# Altium PCB STM32FC8T6.PcbDoc
Units mil, origin at the board's own origin, x right, y up, seen from the top; angles counter-clockwise.
Board outline 3150 x 1975.05 mil, 2 copper layers (Top Layer, Bottom Layer); 81 components, 59 nets, 237 pads, 43 vias.
Unrouted connection lines stored in the file: 70.
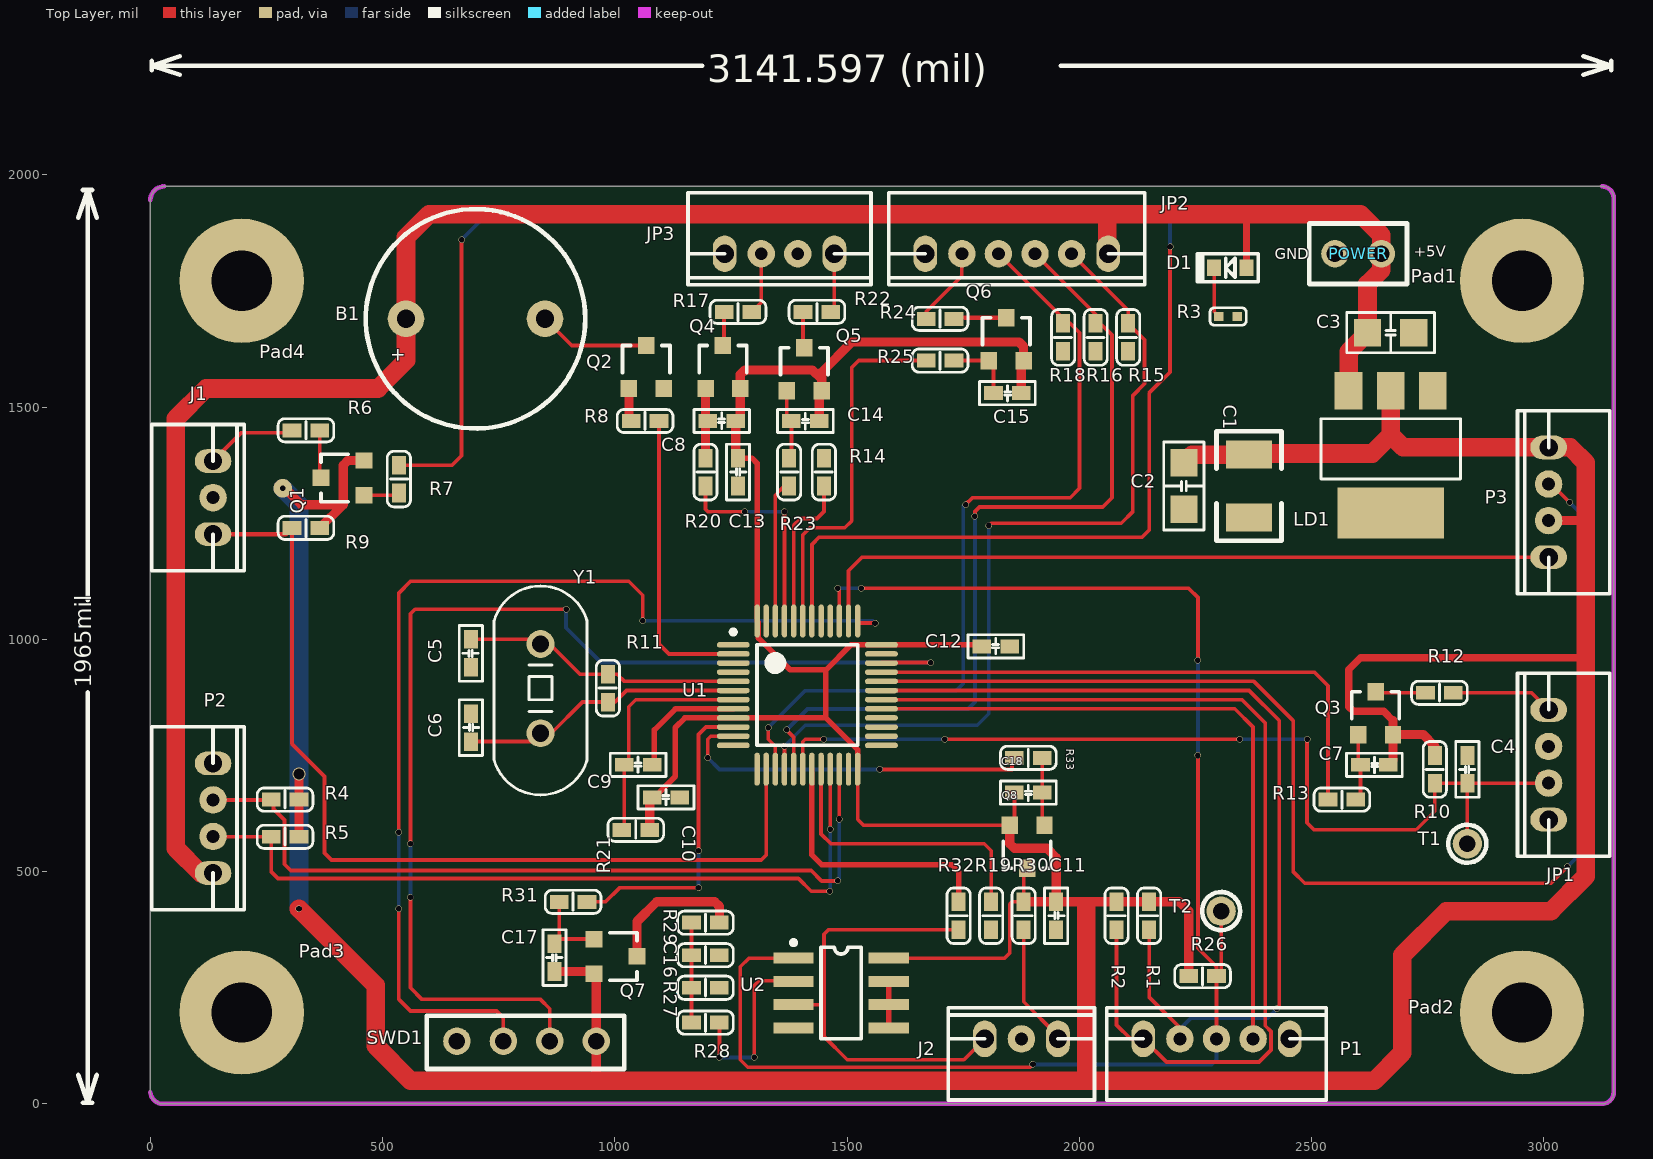
[diagram p0: Top Layer view]
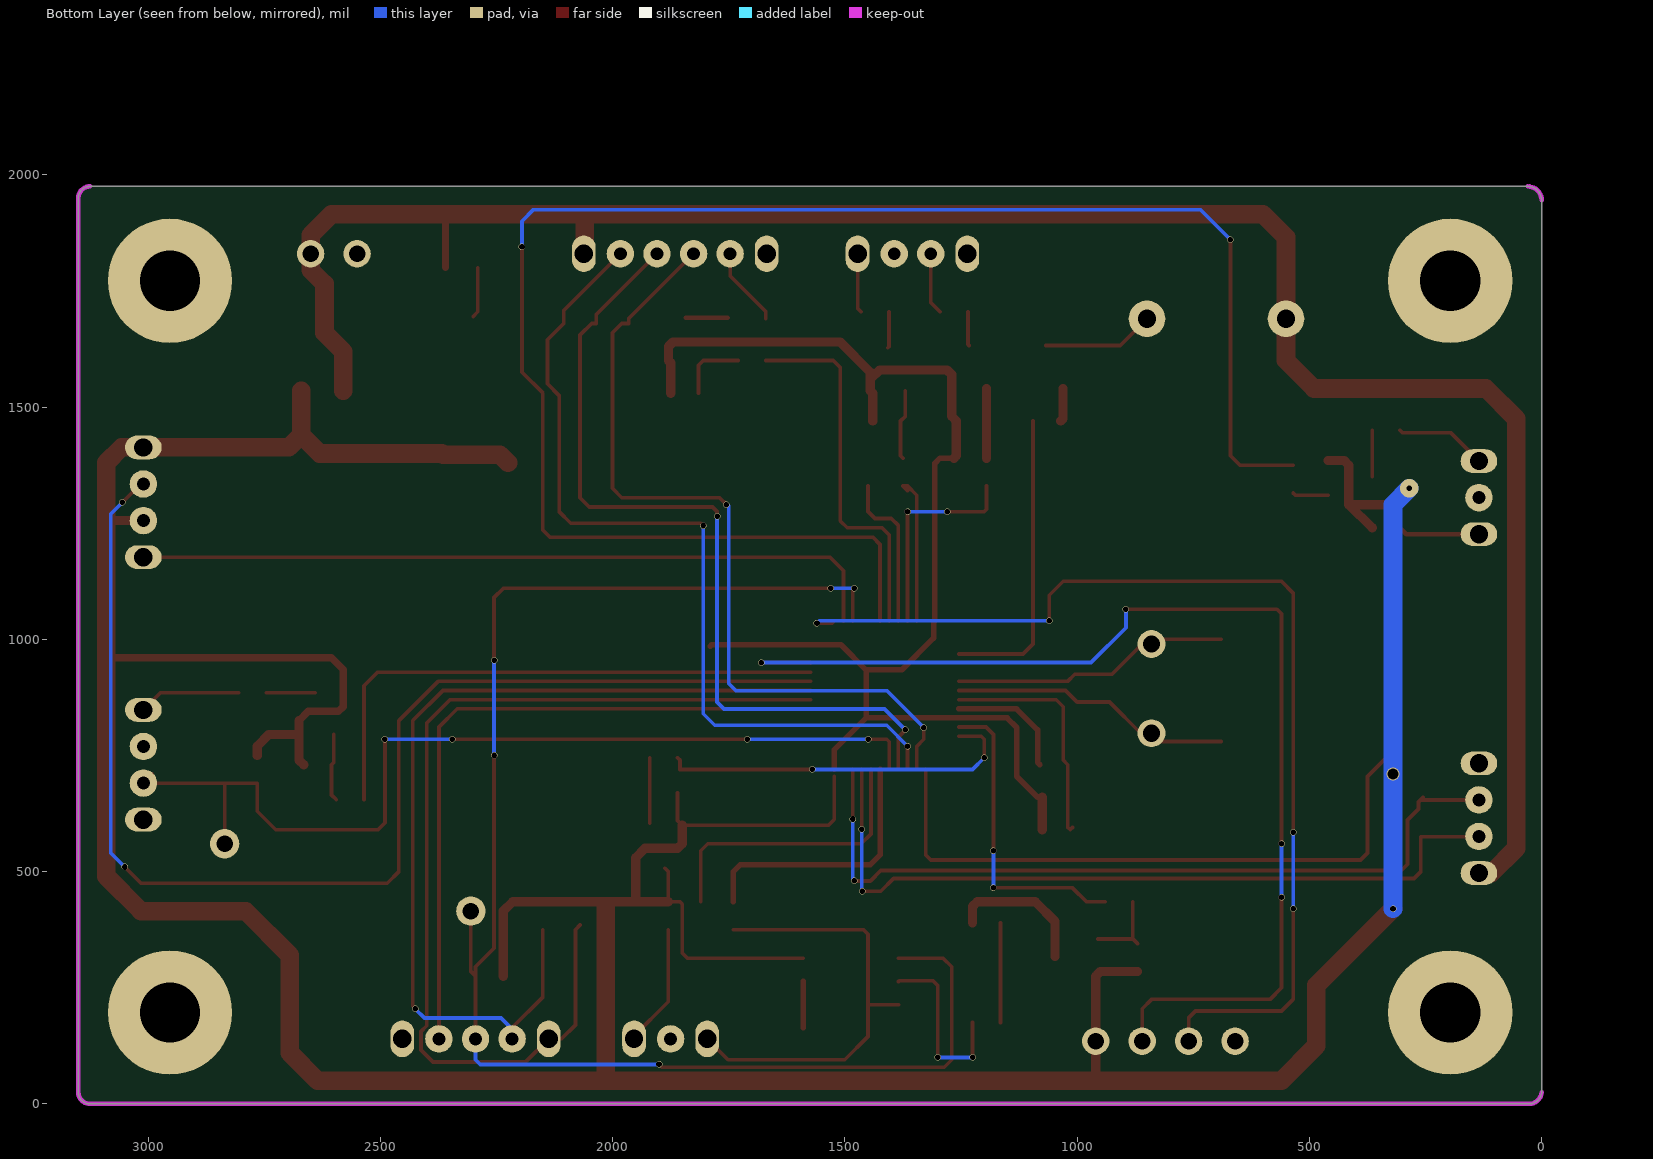
[diagram p1: Bottom Layer view, seen from below]

## Layer stack, top to bottom
Top Solder: solder mask 0.4, Solder Resist, Dk 3.5
Top Layer: signal copper 1.4
Dielectric1: dielectric 12.6, FR-4, Dk 4.8
Bottom Layer: signal copper 1.4
Bottom Solder: solder mask 0.4, Solder Resist, Dk 3.5

## Board outline
0,25 ccw(c27.5,27.5) 30,0 3125,0 ccw(c3125,25) 3150,25 3150,1950 ccw(c3125,1950) 3125,1975 30,1975 ccw(c30,1945) 0,1945

## Design rules (kind name [scope] priority, off if disabled: settings)
Clearance [All] p1: gap=5 ignorepadtopadclearanceinfootprint=FALSE except(0: Arc-Hole Track-Hole SMDPad-Hole THPad-Hole Via-Hole Fill-Hole Poly-Hole Region-Hole Text-Hole)
HoleSize [All] p1: absolutevalues=TRUE maxlimit=150 minlimit=1 maxpercent=80.000 minpercent=20.000
MinimumSolderMaskSliver [All] p1: minsoldermaskwidth=5
PolygonConnect [All] p1: connectstyle=Relief reliefconductorwidth=10 reliefentries=4 polygonreliefangle="90 Angle" airgapwidth=10
RoutingVias [All] p1: holewidth=12 width=14 viastyle="Through Hole" minholewidth=12 minwidth=14 maxholewidth=28 maxwidth=50
ShortCircuit [All] p1: allowed=TRUE
SilkToSilkClearance [All] p1: silktosilkclearance=0
SilkToSolderMaskClearance SilkscreenOverComponentPads [IsPad] p1: minsilkscreentomaskgap=0 clearancetoexposedcopper=TRUE
SolderMaskExpansion [All] p1: expansion=4
Width [All] p1: maxlimit=50 minlimit=6 preferedwidth=8
25 further rules are at their usual default settings.

## Components (designator, comment, footprint, x,y, rotation, side; value= is the part's Value field where it differs from the comment)
B1 "BEEP" Beep 700,1685 r0 top
C1 "100uF" 1210 2365,1330 r270 top
C2 "10uF" C1206 2225,1330 r90 top
C3 "10uF" C1206 2670,1660 r180 top
C4 "104" C0603 2835,720 r90 top
C5 "22" C0603 690,970 r90 top
C6 "22" C0603 690,810 r270 top
C7 "105" C0603 2635,730 r180 top
C8 "105" C0603 1230,1470 r0 top
C9 "104" C0603 1050,730 r0 top
C10 "104" C0603 1110,660 r0 top
C11 "104" C0603 1950,405 r270 top
C12 "104" C0603 1820,985 r0 top
C13 "104" C0603 1265,1360 r270 top
C14 "105" C0603 1410,1470 r180 top
C15 "105" C0603 1845,1530 r180 top
C16 "105" R0603 1195,320 r180 top
C17 "105" C0603 870,315 r90 top
C18 "105" C0603 1890,670 r180 top
D1 "LED0" LED_0603 2325,1800 r180 top
J1 "PH2.0*3" PH2.0*3 135,1305 r270 top
J2 "Encoder" PH2.0*3 1875,140 r0 top
JP1 "CLEAR" PH2.0*4 3010,730 r90 top
JP2 "IR_IN" PH2.0*6 1865,1830 r180 top
JP3 "IR_OUT" PH2.0*4 1354.37,1830 r180 top
LD1 "SOT-223" LD1117S33TR 2670,1410 r180 top
P1 "" PH2.0*5 2295,140 r0 top
P2 "" PH2.0*4 135,615 r270 top
P3 "PH2.0*4" PH2.0*4 3010,1295 r90 top
Pad1 "PAD_3.3(6.8)" PAD_3.3(6.8) 2952.76,1771.65 r0 top
Pad2 "PAD_3.3(6.8)" PAD_3.3(6.8) 2952.76,196.85 r0 top
Pad3 "PAD_3.3(6.8)" PAD_3.3(6.8) 196.85,196.85 r0 top
Pad4 "PAD_3.3(6.8)" PAD_3.3(6.8) 196.85,1771.65 r0 top
POWER "2PIN_PITCH_2.54MM" 2PIN_PITCH_2.54MM 2580,1830 r90 top
Q1 "9012" PNP-SOT-23 420,1350 r90 top
Q2 "S9013" PNP-SOT-23 1070,1580 r0 top
Q3 "S9012" PNP-SOT-23 2640,835 r0 top
Q4 "S9012" PNP-SOT-23 1235,1580 r0 top
Q5 "S9012" PNP-SOT-23 1410,1575 r0 top
Q6 "S9012" PNP-SOT-23 1844.8,1640 r0 top
Q7 "S9012" PNP-SOT-23 995,315 r270 top
Q8 "S9012" PNP-SOT-23 1885,560 r180 top
R1 "5K1" R0603 2150,405 r270 top
R2 "5K1" R0603 2080,405 r270 top
R3 "4.70k" R0402 2320,1695 r0 top
R4 "5K1" R0603 290,655 r180 top
R5 "5K1" R0603 290,575 r180 top
R6 "150R" R0603 335,1450 r180 top
R7 "2K" R0603 535,1345 r90 top
R8 "2K" R0603 1065,1470 r180 top
R9 "30K" R0603 335,1240 r0 top
R10 "5K1" R0603 2765,720 r270 top
R11 "1M" R0603 985,895 r270 top
R12 "200" R0603 2775,885 r180 top
R13 "51K" R0603 2565,655 r0 top
R14 "10K" R0603 1450,1360 r270 top
R15 "5K1" R0603 2105,1650 r270 top
R16 "5K1" R0603 2035,1650 r270 top
R17 "150" R0603 1265,1705 r0 top
R18 "51K" R0603 1965,1650 r270 top
R19 "10K" R0603 1810,405 r90 top
R20 "51K" R0603 1195,1360 r90 top
R21 "10K" R0603 1045,590 r180 top
R22 "150" R0603 1435,1705 r0 top
R23 "51K" R0603 1375,1360 r90 top
R24 "10" R0603 1700,1690 r180 top
R25 "51K" R0603 1700,1600 r0 top
R26 "2K" R0603 2265,275 r0 top
R27 "300K" R0603 1195,250 r180 top
R28 "47K" R0603 1195,175 r0 top
R29 "1K" R0603 1195,390 r0 top
R30 "150R" R0603 1880,405 r270 top
R31 "51K" R0603 910,435 r180 top
R32 "0R" R0603 1740,405 r270 top
R33 "51K" R0603 1890,745 r0 top
SWD1 "HEADER4_2.54MM" HEADER4_2.54MM 690,140 r270 top
T1 "CLEAR" 测试点 2830,560 r0 top
T2 "MP" 测试点 2300,415 r0 top
U1 "STM32F103-LQFP48" STM32F103_48P 1414.29,880 r0 top
U2 "LM393" LM393 1490,235 r0 top
Y1 "8MHz" XTAL8M 840,890 r180 top

## Footprints (in the part's own frame and the unit in brackets; to place one, negate y for a bottom-side part, rotate by r counter-clockwise, add the part's x,y. Pads: shape width x height; smd on the part's side, far side on the other; paste and mask are expansions set on the pad)
2PIN_PITCH_2.54MM [mm]
  round 1.5 hole 0.9: 1(0,0.762) 2(0,-1.778)
  silkscreen extent -1.65,-3.17 1.65,2.16
1210 [mil]
  rect 60x100 smd: 1(-67.5,0) 2(67.5,0)
  silkscreen extent -118,-70 118,70
Beep [mm]
  round 2 hole 1: 1(-3.8,0.127) 2(3.8,0.127)
  silkscreen extent -6,-5.87 6,6.13
C0603 [mil]
  rect 40x30 smd: 1(-30,0) 2(30,0)
  silkscreen extent -60,-25 60,25
C1206 [mil]
  rect 59x59 smd: 1(-50,0) 2(50,0)
  silkscreen extent -94,-43 94,43
HEADER4_2.54MM [mm]
  round 1.5 hole 0.9: 1(0.127,6.858) 2(0.127,4.318) 3(0.127,1.778) 4(0.127,-0.762)
  silkscreen extent -1.27,-2.41 1.65,8.38
LD1117S33TR [mil] "SOT-223"
  rect 60x80 smd: 1(-90.55,-125) 2(0,-125) 3(90.55,-125)
  rect 230x110 smd: 4(0,138)
  silkscreen extent -150,-65 150,65
LED_0603 [mil]
  rect 30x35 smd: 1(-35,0) 2(35,0)
  silkscreen extent -60,-30 71,30
LM393 [mm]
  rect 2.2x0.6 smd: 1(-2.677,1.996) 2(-2.677,0.726) 3(-2.677,-0.544) 4(-2.677,-1.814) 5(2.523,-1.814) 6(2.523,-0.544) 7(2.523,0.726) 8(2.523,1.996)
  silkscreen extent -2.8,-2.41 1.02,2.97
PAD_3.3(6.8) [mm]
  round 6.8 hole 3.3: 1(0,0)
PH2.0*3 [mm]
  oval 1.3x2 hole 1: 1(-2,0) 3(2,0)
  round 1.5 hole 0.7: 2(0,0)
  silkscreen extent -4,-3.34 4,1.7
PH2.0*4 [mm]
  oval 1.3x2 hole 1: 1(-3,0) 4(3,0)
  round 1.5 hole 0.7: 2(-1,0) 3(1,0)
  silkscreen extent -5,-3.34 5,1.7
PH2.0*5 [mm]
  oval 1.3x2 hole 1: 1(-4,0) 5(4,0)
  round 1.5 hole 0.7: 2(-2,0) 3(0,0) 4(2,0)
  silkscreen extent -6,-3.34 6,1.7
PH2.0*6 [mm]
  oval 1.3x2 hole 1: 1(-5,0) 6(5,0)
  round 1.5 hole 0.7: 2(-3,0) 3(-1,0) 4(1,0) 5(3,0)
  silkscreen extent -7,-3.34 7,1.7
PNP-SOT-23 [mm]
  rect 0.9x0.95 smd: 1(0.889,-1.016) 2(-1.011,-1.016) 3(-0.061,1.334)
  silkscreen extent -1.36,-0.14 1.24,1.33
R0402 [mil]
  rect 20x20 smd: 1(-20,0) 2(20,0)
  silkscreen extent -39,-19 39,19
R0603 [mil]
  rect 40x30 smd: 1(-30,0) 2(30,0)
  silkscreen extent -60,-25 60,25
STM32F103_48P [mm]
  oval 1.8x0.3 smd: 1(-4.05,2.75) 2(-4.05,2.25) 3(-4.05,1.75) 4(-4.05,1.25) 5(-4.05,0.75) 6(-4.05,0.25) 7(-4.05,-0.25) 8(-4.05,-0.75) 9(-4.05,-1.25) 10(-4.05,-1.75) 11(-4.05,-2.25) 12(-4.05,-2.75) 25(4.05,-2.75) 26(4.05,-2.25) 27(4.05,-1.75) 28(4.05,-1.25) 29(4.05,-0.75) 30(4.05,-0.25) 31(4.05,0.25) 32(4.05,0.75) 33(4.05,1.25) 34(4.05,1.75) 35(4.05,2.25) 36(4.05,2.75)
  oval 0.3x1.8 smd: 13(-2.75,-4.05) 14(-2.25,-4.05) 15(-1.75,-4.05) 16(-1.25,-4.05) 17(-0.75,-4.05) 18(-0.25,-4.05) 19(0.25,-4.05) 20(0.75,-4.05) 21(1.25,-4.05) 22(1.75,-4.05) 23(2.25,-4.05) 24(2.75,-4.05) 37(2.75,4.05) 38(2.25,4.05) 39(1.75,4.05) 40(1.25,4.05) 41(0.75,4.05) 42(0.25,4.05) 43(-0.25,4.05) 44(-0.75,4.05) 45(-1.25,4.05) 46(-1.75,4.05) 47(-2.25,4.05) 48(-2.75,4.05)
  silkscreen extent -4.17,-2.75 2.75,3.57, body extent -3.5,-3.5 3.5,3.5, height 1.6
XTAL8M [mil]
  round 60 hole 37: 1(0,-100) 2(0,92.13)
  silkscreen extent -100,-225 100,225
测试点 [mm]
  round 1.6 hole 0.9: 1(0.127,0)
  silkscreen extent -0.91,-1.04 1.17,1.04

## Part data
B1: library part Motor, "Motor, General Kind"
C1: library part Cap2, "Capacitor"
C2 C3 C4 C7 C8 C9 C10 C11 C12 C13 C14 C15 C16 C17 C18: library part Cap, "Capacitor"
C5 C6: library part C
D1: "Typical INFRARED GaAs LED"
J2: library part "Header 3", "Header, 3-Pin"
JP1 JP3 P2: library part "Header 4", "Header, 4-Pin"
JP2: library part "Header 6", "Header, 6-Pin"
LD1: library part LD1117S33TR
P1: library part "Header 5", "Header, 5-Pin"
Q1 Q3 Q4 Q5 Q6 Q7 Q8: library part 2N3906, "PNP General Purpose Amplifier"
R1 R2 R3 R4 R5 R6 R7 R8 R9 R10 R12 R13 R15 R16 R17 R18 R20 R22 R23 R24 R25 R26 R27 R28 R29 R30 R31 R32 R33: library part Res1, "Resistor"
R11: library part R
R14 R19 R21: library part "Res Semi", "Semiconductor Resistor"
T1 T2: library part DIAN
Y1: library part XTAL, "Crystal Oscillator"

## Via types
v1: diameter 14, hole 12, Top Layer to Bottom Layer, 41 vias
v2: diameter 40, hole 12, Top Layer to Bottom Layer, 1 vias
v3: diameter 28, hole 24, Top Layer to Bottom Layer, 1 vias

## Nets (pads, with @x,y where several pads share a name; then routed paths per layer and width w, separated by ;. In a path a pad name is that pad's centre, name@x,y a point inside that pad or via, vN(x,y) a via of type N, cw(c..) or ccw(c..) an arc to the next point about the centre after c; other vN are vias at no path point)
BEEP: R8.1 U1.2 | length 648.7
  Top Layer w8: R8.1 1095,990 1116.42,968.58 U1.2
BOOT0: R14.2 U1.44 | length 338.1
  Top Layer w8: U1.44 1384.76,1244.76 1400,1260 1435,1260 1450,1275 R14.2
BOOT1: R19.2 U1.20 | length 630.5
  Top Layer w8: U1.20 1443.82,581.18 1465,560 1795,560 1810,545 R19.2
FRAMESTART: P1.4 U1.29 | length 1487.5
  Top Layer w8: U1.29 2334.53,850.47 2373.74,811.26 P1.4
GND: C1.2 C2.1 C3.1 C4.2 C5.1 C6.1 C9.2 C10.2 C11.2 C12.2 C13.2 C16.1 J1.2 J2.2 JP1.1 JP1.3 JP2.6 JP3.2 JP3.4 LD1.1 P1.5 P2.1 Pad1.1 Pad2.1 Pad3.1 Pad4.1 POWER.1 Q2.1 R3.2 R14.1 R15.2 R16.2 R18.2 R19.1 R27.1 SWD1.4 U1.8 U1.23 U1.35 U1.47 U2.4 | length 265.7
  Top Layer w12: C9.2 1085,735 1085,805 1130.47,850.47 U1.8
IR_FS_L: JP3.3 R17.2 | length 133.3
  Top Layer w8: R17.2 1315,1725 JP3.3@1315,1825
  Top Layer w40: JP3.3@1315,1825 JP3.3
IR_FS_R: JP3.1 R22.2 | length 128.1
  Top Layer w8: R22.2 1472.48,1712.48 JP3.1
IRL_ADC: JP2.2 R15.1 U1.16 | length 1876.2
  Top Layer w8: U1.16 v1(1365.08,770.08) ; v1(1805,1245) 1810,1250 2090,1250 2115,1275 2115,1525 2140,1550 2140,1645 R15.1 2105,1708.11 JP2.2
  Bottom Layer w8: v1(1365.08,770.08) 1410,815 1780,815 1805,840 v1(1805,1245)
IRL_PWM: R20.1 U1.45 | length 457.7
  Top Layer w8: R20.1 1195,1280 1200.08,1274.92 v1(1279.92,1274.92) ; U1.45 v1(1365.08,1274.92)
  Bottom Layer w8: v1(1279.92,1274.92) v1(1365.08,1274.92)
IRR_ADC: JP2.3 R16.1 U1.17 | length 1838
  Top Layer w8: v1(1369.53,805) 1384.76,789.76 U1.17 ; v1(1775,1265) 1775,1275 1785,1285 2050,1285 2070,1305 2070,1655 2045,1680 R16.1 2035,1699.37 JP2.3
  Bottom Layer w8: v1(1369.53,805) 1414.45,849.92 1759.92,849.92 1775,865 v1(1775,1265)
IRR_PWM: R23.1 U1.46 | length 323.4
  Top Layer w8: U1.46 1345.39,1310.39 1365,1330 R23.1 R23.1@1364.61,1319.61
MOTOR_B: P3.1 U1.38 | length 1627.6
  Top Layer w8: U1.38 1502.87,1147.87 1531.89,1176.89 P3.1
MOTOR_S: P3.3 U1.32 | length 2730.2
  Top Layer w8: U1.32 2375.47,909.53 2460,825 2460,500 2485,475 3015,475 v1(3050,510) ; P3.3 3015.63,1334.37 v1(3055,1295)
  Bottom Layer w8: v1(3050,510) 3080,540 3080,1270 v1(3055,1295)
MP_ADC: R32.1 U1.19 | length 580.4
  Top Layer w12: U1.19 1424.13,535.87 1445,515 1725,515 1740,500 R32.1
MP_CTL: J2.3 R30.2 | length 265.5
  Top Layer w8: R30.2 1880,220 1953.74,146.26 J2.3
MP_CTL_PWM: R33.1 U1.11 | length 789.9
  Top Layer w8: v1(1200,745) 1200,785 1206.42,791.42 U1.11 ; v1(1570,720) 1855,720 1855,740 R33.1
  Bottom Layer w8: v1(1200,745) 1225,720 v1(1570,720)
MP_IN: J2.1 R32.2 U2.3 | length 965.8
  Top Layer w8: U2.3 1448.57,213.57 1450,215 ; R32.2 1460,375 1450,365 1450,215 ; J2.1 1751.26,95 1500,95 1450,145 1450,215
MP_INT: P1.3 R26.2 T2.1 U1.39 U2.1 | length 3371.4
  Top Layer w8: U2.1 1288.57,313.57 1270,295 1270,95 1286,79 1894,79 v1(1900,85) ; v1(1480,1110) 1483.19,1106.81 U1.39 ; v1(1530,1110) 2235,1110 2255,1090 v1(2255,955) ; v1(2255,750) 2255,335 2295,295 R26.2 ; P1.3 R26.2 ; T2.1 2305,285 R26.2
  Bottom Layer w8: v1(1480,1110) v1(1530,1110) ; v1(1900,85) 2285,85 2295,95 P1.3 ; v1(2255,750) v1(2255,955)
MP_PWM: R31.1 U1.10 | length 663.9
  Top Layer w7.99: R31.1 980,435 1010,465 v1(1180,465) ; v1(1180,545) 1180,795 1196.1,811.1 U1.10
  Bottom Layer w7.99: v1(1180,465) v1(1180,545)
NetB1_2: B1.2 Q2.3 | length 241.8
  Top Layer w8: B1.2 907.09,1632.52 Q2.3
NetC7_2: C7.2 Q3.2 R13.2 | length 146.1
  Top Layer w8: R13.2 2605,665 C7.2 2600.2,734.8 Q3.2
NetC8_1: C8.1 Q4.2 R20.2 | length 150.1
  Top Layer w20: R20.2 1195.2,1390.2 1195.2,1470 Q4.2
NetC14_2: C14.2 Q5.2 R23.2 | length 151.1
  Top Layer w8: Q5.2 1370.2,1479.8 C14.2 1380,1395 R23.2
NetC15_2: C15.2 Q6.2 R25.2 | length 149.1
  Top Layer w8: R25.2 Q6.2 1815,1590 C15.2
NetC16_2: C16.2 R27.2 R28.1 R29.1 | length 215
  Top Layer w8: R28.1 R27.2 C16.2 R29.1
NetC17_2: C17.2 Q7.2 R31.2 | length 169.3
  Top Layer w8: C17.2 C17.2@879.8,354.8 ; R31.2 880,355 C17.2@879.8,354.8 ; Q7.2 C17.2@879.8,354.8
NetC18_1: C18.1 Q8.2 R33.2 | length 140.2
  Top Layer w8: Q8.2@1920,604.8 C18.1 R33.2
NetD1_2: D1.2 R3.1 | length 109.1
  Top Layer w8: D1.2 2290,1705 R3.1
NetQ1_2: Q1.2 R7.1 | length 77
  Top Layer w8: Q1.2 530.2,1310.2 R7.1
NetQ1_3: Q1.3 R6.1 | length 99.9
  Top Layer w8: Q1.3@365,1350.08 R6.1
NetQ2_2: Q2.2 R8.2 | length 72
  Top Layer w20: Q2.2 1030.2,1474.8 R8.2
NetQ3_3: Q3.3 R12.2 | length 104.9
  Top Layer w8: Q3.3@2640.12,885 R12.2
NetQ4_3: Q4.3 R17.1 | length 73.5
  Top Layer w8: Q4.3 1235,1634.92 R17.1
NetQ5_3: Q5.3 R22.1 | length 78.6
  Top Layer w8: R22.1 1405,1630.12 Q5.3
NetQ6_3: Q6.3 R24.1 | length 89.9
  Top Layer w10: 1752.52,1692.52 Q6.3
NetQ7_3: Q7.3 R29.2 | length 309.3
  Top Layer w20: Q7.3 1047.52,392.52 1090,435 1215,435 1225,425 R29.2
NetQ8_3: Q8.3 R30.1 | length 75.5
  Top Layer w8: R30.1 1880,500.08 Q8.3
NetR28_2: R28.2 U2.2 | length 394.3
  Top Layer w7.99: v1(1225,100) R28.2 ; v1(1300,100) 1300,255 1310,265 U2.2@1383.16,265
  Top Layer w8: U2.2@1383.16,265 U2.2
  Bottom Layer w7.99: v1(1225,100) v1(1300,100)
NetU2_5: U2.5 U2.6 U2.7 | length 100
  Top Layer w12: U2.5 U2.6 U2.7
OSCIN: C5.2 R11.1 U1.5 Y1.1 | length 602.3
  Top Layer w8: C5.2 830,1000 Y1.1 860,990 925,925 R11.1 1005,925 1020.47,909.53 U1.5
OSCOUT: C6.2 R11.2 U1.6 Y1.2 | length 610.3
  Top Layer w8: C6.2 822.13,780 Y1.2 862.87,797.87 930,865 R11.2 1000,865 1024.84,889.84 U1.6
QD_ADC: J1.3 R9.1 U1.14 | length 2050.9
  Top Layer w8: R9.1 305,775 375,705 375,540 390,525 1315,525 1325.71,535.71 U1.14
  Top Layer w10: J1.3 291.26,1226.26 R9.1
QD_PW: J1.1 R6.2 | length 197.4
  Top Layer w8: J1.1 196.26,1445 300,1445 R6.2
QD_PWM: R7.2 U1.42 | length 3757.5
  Top Layer w8: R7.2 650,1375 670,1395 v1(670,1860) ; U1.42 1424.13,1204.13 1440,1220 2135,1220 2150,1235 2150,1530 2195,1575 v1(2195,1845)
  Bottom Layer w8: v1(670,1860) 735,1925 2170,1925 2195,1900 v1(2195,1845)
QL_ADC: C4.1 JP1.2 R10.2 T1.1 U1.18 | length 2087.2
  Top Layer w8: U1.18 1404.45,779.45 1410,785 v1(1450,785) ; v1(1710,785) v1(2345,785) ; v1(2490,785) 2490,605 2505,590 2725,590 2765,630 R10.2 C4.1 ; T1.1 C4.1 ; JP1.2@2990.63,710 JP1.2 3009.37,690 C4.1
  Bottom Layer w8: v1(1450,785) v1(1710,785) ; v1(2345,785) v1(2490,785)
QL_CTL: JP1.4 R12.1 | length 220.3
  Top Layer w8: R12.1 2973.11,885 JP1.4
RESET: C9.1 R21.2 U1.7 | length 509.4
  Top Layer w8: R21.2@1010,595 R21.2 1020,595 C9.1 1030,740 1030,855 1045.16,870.16 U1.7
SWCLK: SWD1.3 U1.37 | length 2310.7
  Top Layer w8: v1(535,420) 535,225 560,200 745,200 760,185 SWD1.3 ; v1(535,585) 535,1100 560,1125 1030,1125 1060,1095 v1(1060,1040) ; U1.37 1527.01,1035 v1(1560,1035)
  Bottom Layer w8: v1(535,420) v1(535,585) ; v1(1060,1040) 1555,1040 v1(1560,1035)
SWIO: SWD1.2 U1.34 | length 2495.6
  Top Layer w8: v1(560,445) 560,250 585,225 840,225 860,205 SWD1.2 ; v1(560,560) 560,1055 570,1065 v1(895,1065) ; U1.34 1574.84,950 v1(1680,950)
  Bottom Layer w8: v1(560,445) v1(560,560) ; v1(895,1065) 895,1025 970,950 v1(1680,950)
SWITCH: R13.1 U1.33 | length 1218.4
  Top Layer w8: U1.33 2505.79,929.21 2535,900 R13.1
USART1_RX: P1.2 R1.2 U1.31 | length 2017.5
  Top Layer w8: U1.31 2365.16,889.84 2430,825 2430,210 v1(2425,205) ; R1.2 2150,230 2216.26,163.74 P1.2 P1.2@2215,141.26
  Bottom Layer w8: P1.2 2216.26,161.26 2240,185 2405,185 v1(2425,205)
USART1_TX: P1.1 R2.2 U1.30 | length 2151.5
  Top Layer w8: U1.30 2349.84,870.16 2400,820 2400,168.23 2412.27,155.96 2412.27,115.89 2386.38,90 2187.52,90 P1.1 2110,140 2080,170 R2.2 R2.2@2070,385
USART3_RX: P2.2 R4.2 U1.22 | length 1730.2
  Top Layer w8: P2.2 259.37,654.37 R4.2 ; R4.2@255.63,659.37 R4.2 ; v1(1480,480) 1445,480 1422.5,502.5 302.5,502.5 289,516 289,611 265,635 265,650 R4.2 ; v1(1483.19,613.19) U1.22
  Bottom Layer w8: v1(1480,480) 1483.19,483.19 v1(1483.19,613.19)
USART3_TX: P2.3 R5.2 U1.21 | length 1683.8
  Top Layer w8: P2.3 135.63,575 R5.2 260,500 275,485 1395,485 1422.5,457.5 v1(1462.5,457.5) ; v1(1463.5,591.5) U1.21
  Bottom Layer w8: v1(1462.5,457.5) 1463.5,458.5 v1(1463.5,591.5)
UV_ADC: JP2.4 R18.1 U1.15 | length 1788.9
  Top Layer w8: v1(1330,810) 1330,785 1345.39,769.61 U1.15 ; v1(1755,1290) 1770,1305 1980,1305 2000,1325 2000,1660 1980,1680 R18.1 1965,1690.63 JP2.4
  Bottom Layer w8: v1(1330,810) 1409.45,889.45 1734.45,889.45 1750,905 1750,1287 1753,1290 v1(1755,1290)
UV_PWM: R25.1 U1.43 | length 799.4
  Top Layer w8: U1.43 1404.45,1224.45 1420,1240 1495,1240 1510,1255 1510,1585 1525,1600 R25.1
VCC_3V3: C1.1 C2.2 C7.1 C8.2 C10.1 C11.1 C12.1 C13.1 C14.1 C15.1 C17.1 C18.2 LD1.2 P3.2 P3.4 Q1.1 Q3.1 Q4.1 Q5.1 Q6.1 Q7.1 Q8.1 R1.1 R2.1 R4.1 R5.1 R9.2 R10.1 R21.1 R26.1 SWD1.1 U1.9 U1.24 U1.36 U1.48 U2.8 | length 877.3
  Top Layer w8: U1.24@1522.56,705.55 1522.56,612.44 1535,600 Q8.1 1860,610 C18.2
  Top Layer w20: Q8.1 1850,560 1860,550 1930,550 1950,530 C11.1 R2.1
VCC_5V: B1.1 C3.2 D1.1 JP2.1 LD1.3 P2.4 POWER.2 | length 4545.2
  Top Layer w15: D1.1 2360,1910 2365,1915
  Top Layer w40: P2.4 108.11,496.89 55,550 55,1475 120,1540 490,1540 550.39,1600.39 B1.1 550.39,1865.39 600,1915 2060,1915 ; JP2.1 2060,1831.85 2060,1915 ; LD1.3 2579.45,1619.45 C3.2 2620,1765 2650,1795 POWER.2 2650,1870 2605,1915 2365,1915 2060,1915
ZG_KZ: JP2.5 R24.2 | length 171.8
  Top Layer w8: R24.2 1670,1705 1746.89,1781.89 JP2.5
pads on no net: LD1.4 U1.1 U1.3 U1.4 U1.12 U1.13 U1.25 U1.26 U1.27 U1.28 U1.40 U1.41
copper on no net: | length 11901.1
  Top Layer w8: 1589.31,313.57 1838.57,313.57 1850,325 1850,430 1855,435 1880,435
  Top Layer w12: 1080,660 1085,660 1130,705 1130,810 1150.79,830.79 1254.84,830.79 1454.21,830.79 ; 1265,1390 1295,1390 1306.02,1378.98 1306.02,1039.45 1308.8,1036.67 1308.8,1002.92 1377.51,934.21 1454.21,934.21 ; 1522.56,720.55 1522.56,762.44 1454.21,830.79 ; 1790,985 1786.73,988.27 1573.74,988.27 1508.27,988.27 1454.21,934.21 ; 1454.21,830.79 1454.21,934.21
  Top Layer w16: 2675,825 2655,845 2590,845 2580,855 2580,935 2605,960 3085,960
  Top Layer w20: v2@290,1325 325,1290 415,1290 ; 320,575 320,655 v3(320,710) ; 365,1240 415,1290 ; 460,1385 425,1385 415,1375 415,1290 ; 870,285 950,285 955,280 960,275 960,135 960,50 ; 1075,590 1075,660 ; 1265,1390 1260,1395 1260,1470 1270,1480 1270,1540 1270,1570 1280,1580 1425,1580 1445,1560 ; 1440,1470 1440,1530 1445,1535 1445,1560 ; 1875,1530 1875,1595.2 1879.8,1600 1879.8,1630.2 1870,1640 1510,1640 1445,1575 1445,1560 ; 1880,435 1950,435 ; 2080,435 2150,435 2215,435 2235,415 2235,275 ; 2665,730 2675,740 2675,795 ; 2675,825 2675,795 ; 2765,750 2765,770 2740,795 2675,795 ; 3010,1255.63 3084.37,1255.63 3090,1250
  Top Layer w40: v1(320,420) 485,255 485,125 560,50 960,50 2015,50 ; 2015,425 2015,50 ; 2225,1380 2242.5,1397.5 2365,1397.5 2367.5,1400 2630,1400 2670,1440 ; 2670,1535 2670,1440 ; 2015,50 2635,50 2695,110 2695,320 2790,415 3015,415 3090,490 3090,1250 3090,1380 3056.89,1413.11 3010,1413.11 2696.89,1413.11 2670,1440
  Bottom Layer w40: v2(285,1325) 320,1290 v3(320,710) v1(320,420)

## Keep-outs
Keep-Out Layer:
  lines w10: 0,25 ccw(c27.5,27.5) 30,0 3125,0 ccw(c3125,25) 3150,25 3150,1950 ccw(c3125,1950) 3125,1975 ; 0,1945 cw(c30,1945) 30,1975

## Silkscreen, mask and mechanical layers (free items; w line width, h text height)
Top Overlay:
  lines w10: -155,62.32 -135,2.32 ; -155,1907.32 -135,1967.32 ; -145,2.32 -125,2.32 ; -145,1967.32 -125,1967.32 ; -135,885.6 -135,2.32 ; -135,1084.04 -135,1967.32 ; -115,62.32 -135,2.32 ; -115,1907.32 -135,1967.32 ; 3.4,2225 3.4,2245 ; 63.4,2215 3.4,2235 ; 63.4,2255 3.4,2235 ; 1188.32,2235 3.4,2235 ; 1960.08,2235 3145,2235 ; 3085,2215 3145,2235 ; 3085,2255 3145,2235 ; 3145,2225 3145,2245
  text "3141.597 (mil)" at 1198.32,2199.01 h60
  text "+5V" at 2720,1815 h40
  text "GND" at 2420,1810 h40
  text "1965mil" at -115.38,895.6 h60 r90
Mechanical 1:
  lines w10: 0,25 0,1945 ; 30,1975 3125,1975

## Text inside footprints (layer, text, board x,y; h text height)
B1: Top Overlay "+" at 554.72,1629.22 h50 r90